# Altium PCB LinuxMini_ExtraBoard.PcbDoc (part 2 of 3)
Units mil, origin at the board's own origin, x right, y up, seen from the top; angles counter-clockwise.
Board outline 8065 x 5740 mil, 2 copper layers (Top Layer, Bottom Layer); 249 components, 216 nets, 879 pads, 804 vias.
Unrouted connection lines stored in the file: 73.
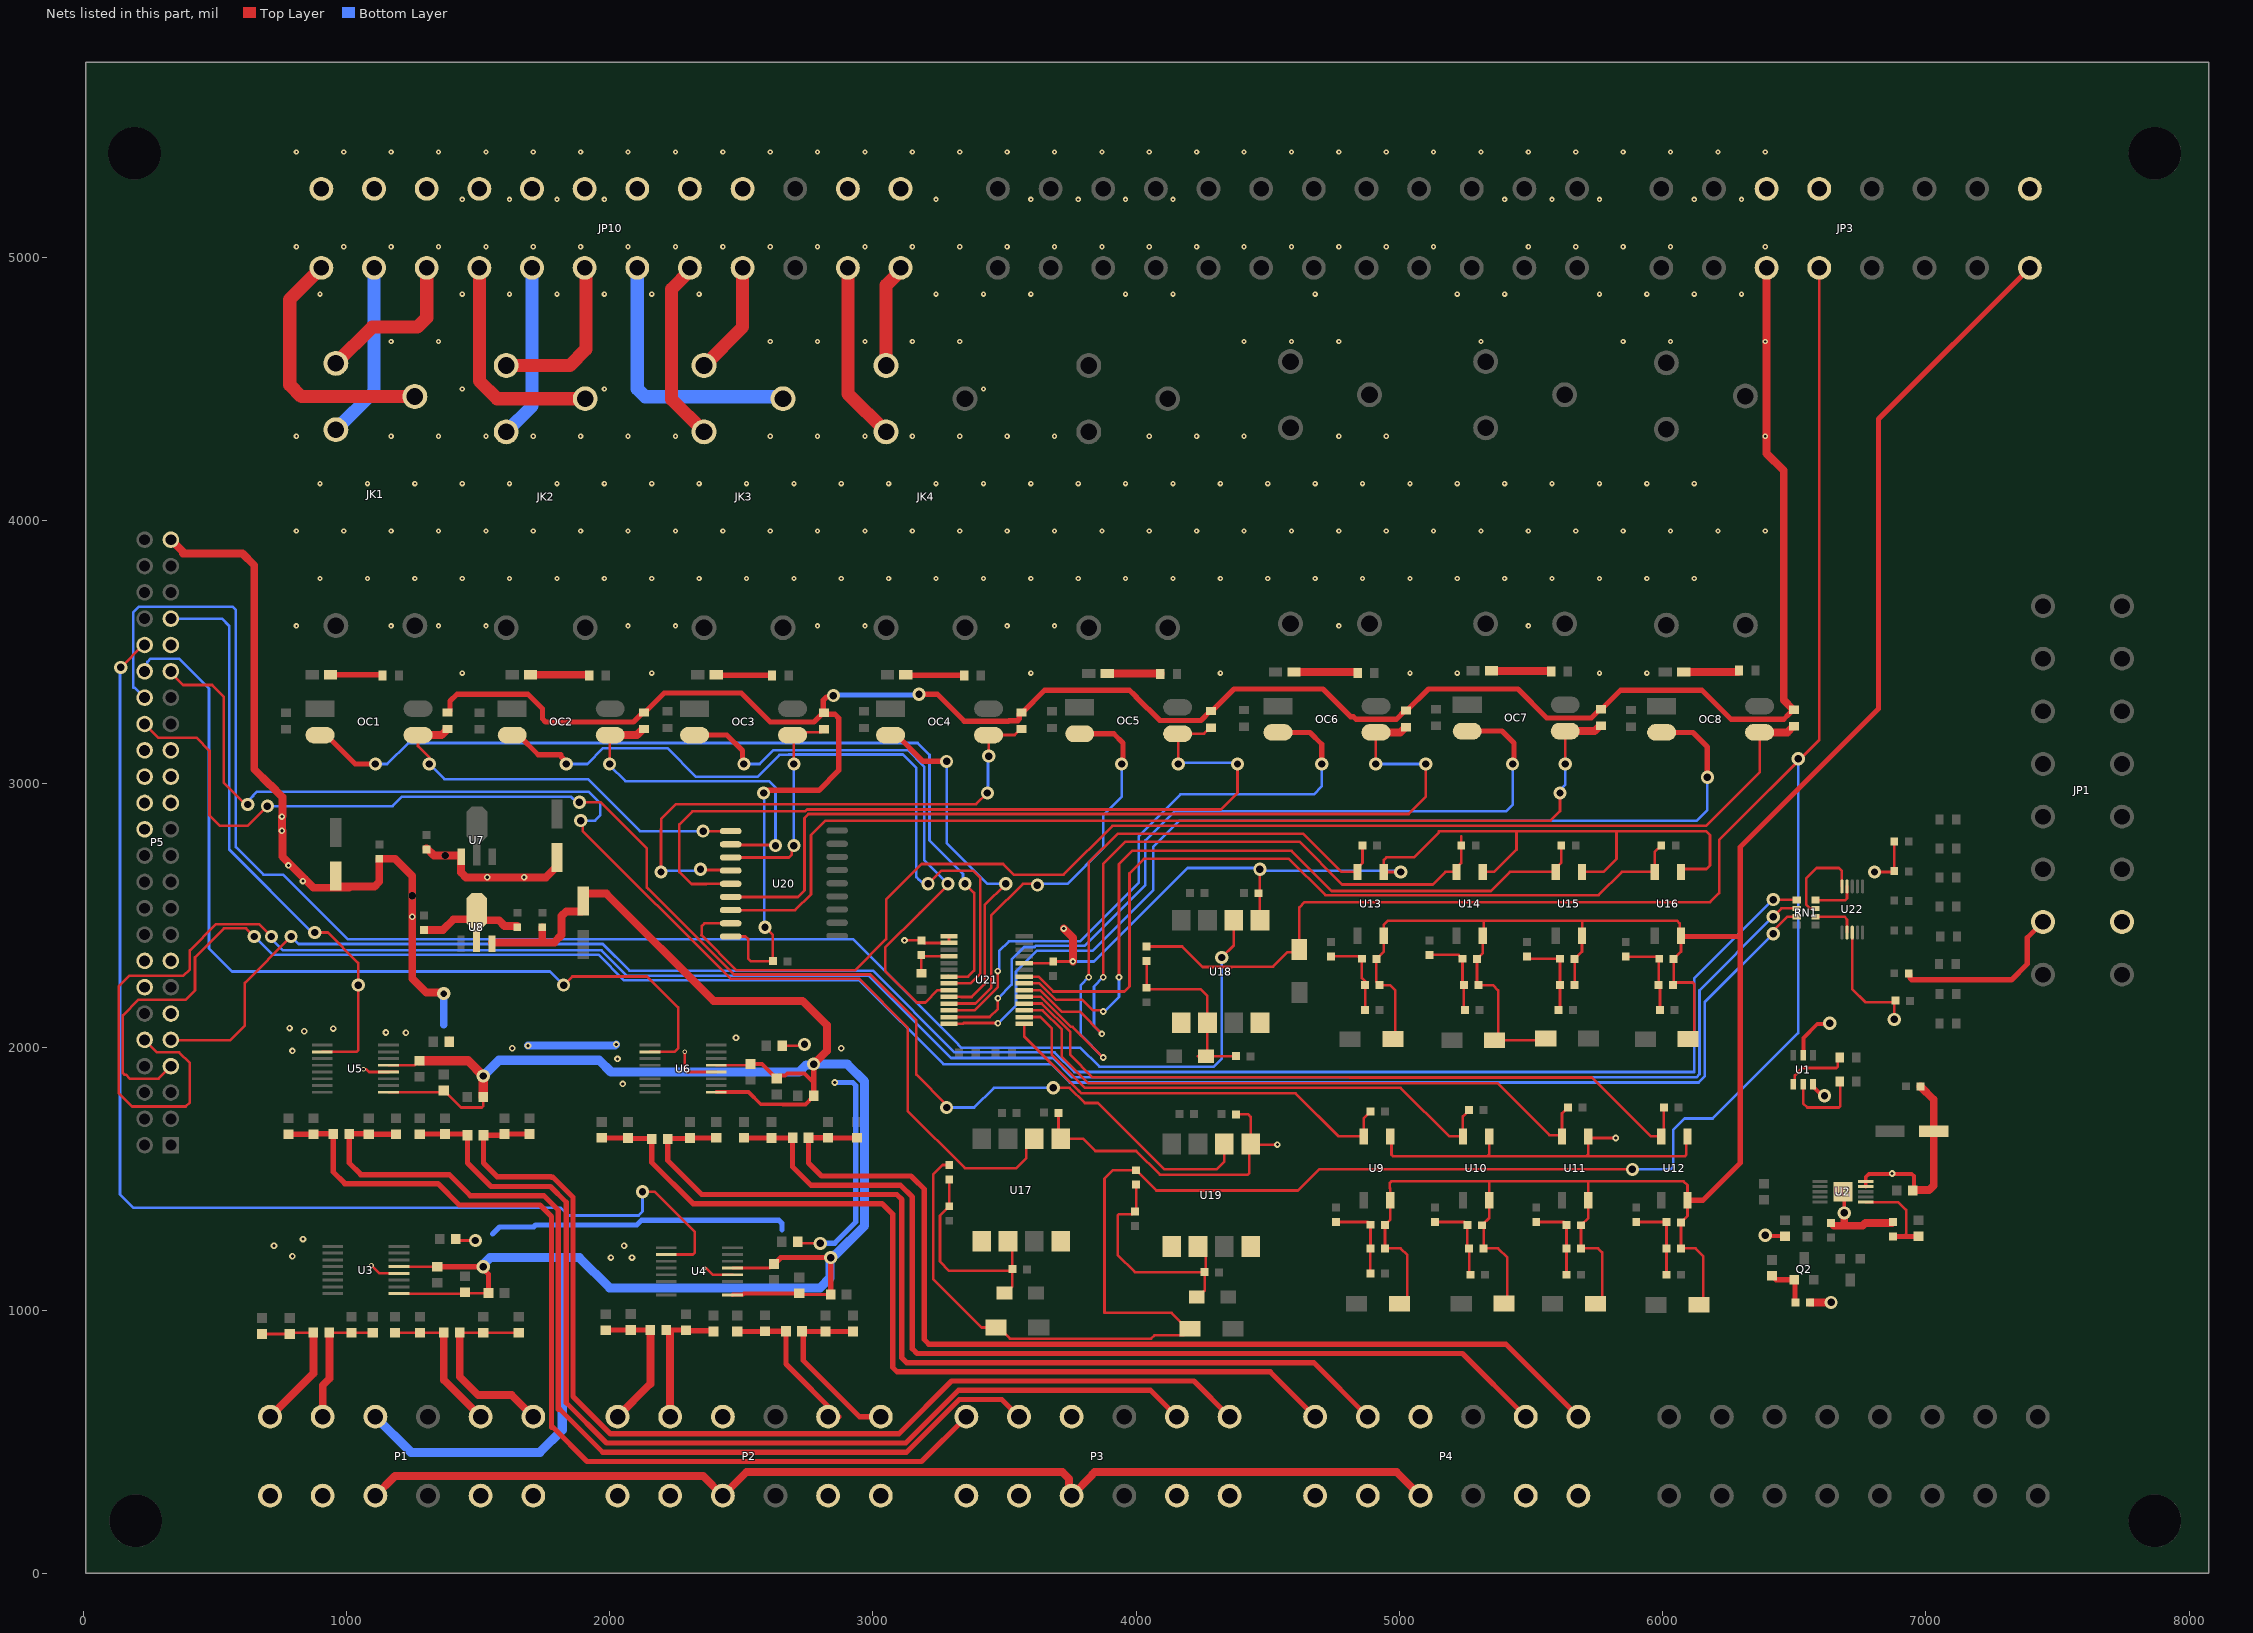
[diagram p2: the nets of this part, all layers, seen from the top]

## Via types
v1: diameter 20, hole 8, Top Layer to Bottom Layer, 497 vias
v2: diameter 50, hole 28, Top Layer to Bottom Layer, 155 vias
v3: diameter 25, hole 12, Top Layer to Bottom Layer, 142 vias
v4: diameter 28, hole 28, Top Layer to Bottom Layer, 4 vias
v5: diameter 17, hole 10, Top Layer to Bottom Layer, 2 vias
v6: diameter 18, hole 10, Top Layer to Bottom Layer, 2 vias
v7: diameter 25, hole 10, Top Layer to Bottom Layer, 1 vias
v8: diameter 50, hole 25, Top Layer to Bottom Layer, 1 vias

## Nets (pads, with @x,y where several pads share a name; then routed paths per layer and width w, separated by ;. In a path a pad name is that pad's centre, name@x,y a point inside that pad or via, vN(x,y) a via of type N, cw(c..) or ccw(c..) an arc to the next point about the centre after c; other vN are vias at no path point) (continued)
BVCC: C11.1 C12.1 C13.1 C15.1 C16.1 C17.1 C31.1 C32.1 C33.1 C36.1 C37.1 C38.1 C50.1 C51.2 P1.3 P2.3 P3.3 P4.3 U3.9 U3.13 U4.9 U4.13 U5.9 U5.13 U6.9 U6.13 U8.3 | length 14776.7
  Top Layer w10: U5.9@1160.34,1828.23 1363.54,1828.23 C32.1@1370,1834.68 1370.98,1834.68 1435.67,1770 1514.14,1770 1520,1775.86 C33.1@1520,1810 ; U5.13@1160.34,1930.59 1259.61,1930.59 1276.67,1947.66 C31.1@1277.66,1947.66 ; U3.9@1200,1063.23 1444.21,1063.23 C13.1@1450,1069.02 1454.02,1065 C11.1@1540,1065 ; U3.13@1200,1165.59 1260,1165.59 1260.59,1165 C12.1@1345,1165 ; U6.13@2405.34,1930.59 2529.96,1930.59 C36.1@2535,1935.63 2556.85,1935.63 ; U4.13@2466.97,1160.59 2608.98,1160.59 2624.02,1175.63 C15.1@2625,1175.63 ; C16.1@2724.02,1060 C17.1@2839.37,1060 ; 2767.5,1872.5 2775,1865
  Top Layer w15: U6.9@2405.34,1828.23 2528.27,1828.23 2574,1782.5 2658.45,1782.5 2658.74,1782.21 2743.19,1782.21 2775,1814.02 C38.1@2775,1815 ; U4.9@2466.97,1058.23 2468.96,1060.22 2505.81,1060.22 2509.61,1064.02 C16.1@2720,1064.02 ; 2556.85,1935.63 2578.7,1935.63 C37.1@2634.02,1880.32 ; C37.1@2635,1880.32 2645.81,1891.12 2666.12,1891.12 2675,1900 2740,1900 2767.5,1872.5
  Top Layer w20: C12.1@1345,1165 v2(1520,1165) 1520,1156.88 1540,1136.88 C11.1@1540,1065 ; C15.1@2625,1175.63 2625.98,1175.63 2650.35,1200 v2(2840,1200) 2839.68,1199.68 2839.68,1060.32 C17.1@2839.37,1060 ; C38.1@2775,1815 2775,1865 v2(2775,1935)
  Top Layer w30: P1.3@1110,295.64 1184.36,370 2355.64,370 P2.3@2430,295.64 2519.36,385 3720,385 3745,360 3745,305.64 P3.3@3755,295.64 3835,375.64 3835,377.43 3842.57,385 4990,385 5079.36,295.64 P4.3@5080,295.64 ; U8.3@1553.06,2397.61 1740,2397.61 ; C51.2@1744,2455 1744,2401.61 1740,2397.61 ; v2(2775,1935) 2825,1985 2825,2083.18 2733.18,2175 2395,2175 1987.5,2582.5 1906.65,2582.5 1900,2575.85 C50.1@1900,2555 1900,2521.73 1893.35,2515.07 1835.07,2515.07 1817.5,2497.5 1817.5,2425.11 1790,2397.61 1740,2397.61
  Top Layer w35: C31.1@1277.66,1947.66 1462.34,1947.66 v2(1520,1890) C33.1@1520,1810
  Bottom Layer w35: P1.3@1110,595.64 1245.64,460 1735,460 1820,545 1820,1195 1815,1200 ; v2(1520,1165) 1520,1169.06 1525,1174.06 1525,1179.5 1545.5,1200 1815,1200 ; v2(1520,1890) 1580,1950 1960,1950 2005,1905 2720,1905 2747.13,1932.13 2772.13,1932.13 v2(2775,1935) 2902.38,1935 2968.5,1868.88 2968.5,1321.12 2858.88,1211.5 2855.56,1211.5 2840,1195.94 v2@2840,1195 ; v2(2840,1200) 2837.13,1197.13 2837.13,1122.63 2799.5,1085 2000,1085 1885,1200 1815,1200
COMX0: JP3.5 R57.2 R60.2 R63.2 TVS9.2 TVS10.2 TVS11.2 | length 11420.7
  Top Layer w10: R57.2@3290,1552 3265,1552 3229,1516 3229,1118.05 3412.56,934.49 TVS9.2@3467.56,934.49 3477.56,934.49 3520.13,891.92 4056.92,891.92 4069.49,904.49 4180,904.49 TVS11.2@4205,929.49 4195,929.49 4134.49,990 3880,990 3880,1500 3912,1532 R63.2@4000,1532 4077,1455 4615,1455 4695,1535 v2(5885,1535) ; R60.2@4040,2382 4175,2382 4252.86,2304.14 4307.86,2304.14 4308,2304 4364,2304 4365,2305 4520,2305 4575,2360 4610,2360 TVS10.2@4620,2370 4620,2530 4640,2550 6180,2550 6215,2585 6215,2786.07 6595,3166.07 JP3.5@6595,4960
  Bottom Layer w10: v2(5885,1535) 6030,1535 6040,1545 6040,1685 6083.32,1728.32 6190.04,1728.32 6515,2053.28 v2(6515,3095)
CS: RN1.2 U22.2 | length 173.7
  Top Layer w10: RN1.2@6580.86,2495 6690,2495 6700.63,2484.37 U22.2@6700.63,2434.8
DUL1: OC1.3 R67.1 U20.1 | length 1477.7
  Top Layer w10: OC1.3@1272.12,3185 1272.12,3142.88 1315,3100 ; v2(2355,2820) U20.1@2460,2820
  Top Layer w30: OC1.3@1272.12,3185 1362,3185 1381,3204 1381,3207.25 1381.75,3208 R67.1@1385,3208
  Bottom Layer w10: v2(1315,3075) 1372.5,3017.5 1917.5,3017.5 2115,2820 v2(2355,2820)
DUL2: OC2.3 R77.1 U20.2 | length 1290.6
  Top Layer w10: v2@2000,3095 2000,3182.88 OC2.3@2002.12,3185 ; U20.2@2460,2770 2462.5,2767.5 2627.5,2767.5 v2(2630,2765)
  Top Layer w30: OC2.3@2002.12,3185 2103.75,3185 2126.75,3208 R77.1@2130,3208
  Bottom Layer w10: v2(2000,3075) 2000,3070 2060,3010 2605,3010 2630,2985 v2(2630,2765)
DUL3: OC3.3 R79.1 U20.3 | length 822.8
  Top Layer w10: U20.3@2460,2720 2681.36,2720 2692.35,2730.99 2692.35,2757.35 v2(2700,2765) ; v2@2700,3090 2700,3180 OC3.3@2695,3185 2732.96,3185 2744.22,3196.26 2804.25,3196.26 R79.1@2815,3207.01
  Bottom Layer w10: v2(2700,2765) v2(2700,3075) ; v2@2700,3090 2700,3083.43 v2@2704.22,3079.22
DUL4: OC4.3 R81.1 U20.4 | length 2110
  Top Layer w10: v2(2195,2665) 2195,2827.78 ; 2195.54,2827.78 2195.54,2865.54 2252.5,2922.5 3392.5,2922.5 v2(3435,2965) ; v2(2345,2675) 2347.5,2672.5 2457.5,2672.5 U20.4@2460,2670 ; v2(3440,3105) 3440,3184.27 OC4.3@3439.27,3185 3538.75,3185 3561.75,3208 R81.1@3565,3208
  Bottom Layer w10: v2(2195,2665) 2200,2670 2340,2670 v2(2345,2675) ; v2(3435,2965) 3437.5,2967.5 3437.5,3102.5 v2(3440,3105)
DUL5: OC5.3 R83.1 U20.5 | length 3155.3
  Top Layer w10: U20.5@2460,2620 2367.95,2620 2367.09,2619.14 2310.86,2619.14 2265,2665 2265,2845 2315,2895 2742.37,2895 2749.48,2902.1 4322.1,2902.1 4385,2965 v2(4385,3075) ; v2@4160,3085 4160,3187.84 OC5.3@4157.84,3190 4258.75,3190 4281.75,3213 R83.1@4285,3213 ; v2@4168.25,3093.25 v2@4175,3086.5
  Bottom Layer w10: v2@4160,3085 4165,3080 4380,3080 v2(4385,3075)
  other v2: 4160,3075
DUL6: OC6.3 R85.1 U20.6 | length 3516.9
  Top Layer w10: U20.6@2460,2570 2715,2570 2740,2595 2740,2870 2755,2885 5035,2885 5100,2950 v2(5100,3075) ; v2(4910,3075) 4910,3193.58 OC6.3@4911.42,3195
  Top Layer w30: OC6.3@4911.42,3195 5003.43,3195 5021,3212.57 5021,3214.25 5021.75,3215 R85.1@5025,3215
  Bottom Layer w10: v2(4910,3075) v2(5100,3075)
DUL7: OC7.3 R87.1 U20.7 | length 3893.2
  Top Layer w10: U20.7@2460,2520 2705,2520 2765,2580 2765,2805 2820,2860 5574.14,2860 5610,2895.86 v2(5610,2965) ; 5630,3100 OC7.3@5629.99,3200
  Top Layer w30: OC7.3@5629.99,3200 5741.75,3200 5761.75,3220 R87.1@5765,3220
  Bottom Layer w10: v2(5610,2965) 5610,2975.82 5630,2995.82 5630,3100
  other v2: 5630,3075
DUL8: OC8.3 R89.1 U20.8 | length 4950.5
  Top Layer w10: U20.8@2460,2470 2360,2470 2350,2460 2350,2426.72 2348.34,2425.05 2481.89,2291.5 2931.73,2291.5 3050.23,2410 3050.23,2560.23 3185,2695 3494.64,2695 3534.82,2654.82 3535,2655 3725,2655 3910,2840 6165,2840 6368.56,3043.56 OC8.3@6368.56,3195
  Top Layer w30: OC8.3@6368.56,3195 6473.75,3195 6496.75,3218 R89.1@6500,3218
ENET1_CRS_DV: P5.36 U18.6 | length 6298.9
  Top Layer w10: v2(4325,2340) 4370.85,2385.85 U18.6@4370.85,2481.63
  Bottom Layer w10: P5.36@233.39,3327.05 195.43,3365 190,3365 190,3650 212.5,3672.5 567.5,3672.5 580,3660 580,2760 685,2655 760,2655 1005,2410 2925,2410 3324,2011 3324,2008.57 3335.07,1997.5 3787.5,1997.5 3860,1925 4295,1925 4325,1955 v2(4325,2340)
ENET1_RXD0: P5.37 U17.6 | length 4754.6
  Top Layer w10: P5.37@333.39,3427.05 333.39,3421.61 380,3375 490,3375 534,3331 534,3005 617.59,2921.41 v2(625,2921.41) ; v2(1890,2860) 1897.65,2852.35 1897.65,2821.29 2459.44,2259.5 2946.37,2259.5 3132.25,2073.63 3132.25,1757.75 3350,1540 3545,1540 3582.91,1577.91 3582.91,1621.2 U17.6@3613.35,1651.63
  Bottom Layer w10: v2(625,2921.41) 625,2932.24 645.33,2952.57 645.33,2955.33 660,2970 1920,2970 1965,2925 1965,2880.86 1944.14,2860 v2(1890,2860)
ENET1_RXD1: P5.34 U19.6 | length 5391.4
  Top Layer w10: P5.34@233.39,3227.05 233.39,3226.61 285,3175 430,3175 480,3125 480,2880 520,2840 625,2840 v2(700,2915) ; v2(1885,2930) 1965,2930 2141.25,2753.75 2141.25,2605.86 2147.11,2600 2147.43,2600 2471.93,2275.5 2990,2275.5 3165,2100.5 3165,1895 3280,1780 v2(3280,1770) ; v2(3685,1845) 3747.37,1845 3804.87,1787.5 3855,1787.5 4107.5,1535 4305,1535 4335,1565 U19.6@4335,1631.63
  Bottom Layer w10: v2(700,2915) 1175,2915 1210,2950 1854.18,2950 1874.18,2930 v2(1885,2930) ; v2(3280,1770) 3385,1770 3460,1845 v2(3685,1845)
ENET1_RXER: P5.41 U5.2 | length 2224.4
  Top Layer w10: v2(880,2435) 930,2435 1045,2320 v2(1045,2235) ; U5.2@908.37,1981.77 1039.14,1981.77 1045,1987.63 v2@1045,2230 ; v2@1055,2250 v2@1060,2245
  Bottom Layer w10: P5.41@333.39,3627.05 527.95,3627.05 555,3600 555,2750 870,2435 v2(880,2435)
ENET1_TX_CLK: P5.40 U4.2 | length 4680.7
  Top Layer w10: v2(143,3442) 228.05,3527.05 P5.40@233.39,3527.05 ; v2(2125,1450) 2171.41,1450 2323.21,1298.21 2323.21,1219.56 2323.89,1218.89 2316.77,1211.77 U4.2@2215,1211.77
  Bottom Layer w10: v2(143,3442) 140,3439 140,1440 191,1389 1814.41,1389 1843.41,1360 2110,1360 2125,1375 v2(2125,1450)
ENET1_TXD0: P5.32
ENET1_TXD1: P5.39
ENET1_TXEN: P5.38 U6.2 | length 3482.9
  Top Layer w10: v2(1825,2235) 1858,2268 2142,2268 2260,2150 2260,1995 2246.77,1981.77 U6.2@2153.37,1981.77
  Bottom Layer w10: P5.38@233.39,3427.05 243.53,3437.19 243.53,3462.67 255.86,3475 365,3475 478,3362 478,2375 566,2287 1773,2287 v2(1825,2235)
GND: C1.2 C2.1 C3.2 C4.1 C5.2 C10.2 C14.2 C30.2 C35.2 C46.2 C47.1 C48.2 C60.1 C62.1 C64.1 C67.1 C68.1 C69.1 C70.1 C73.2 C74.2 JP1.2 L2.2 P5.47 R6.2 R7.1 U1.2 U1.6 U2.9 U2.10 U2.11 U3.12 U4.12 U5.12 U6.12 U7.1 U9.3 U10.3 U11.3 U12.3 U13.3 U14.3 U15.3 U16.3 U17.5 U18.5 U19.5 U21.10 U21.15 U21.16 U22.3 | length 16665.5
  Top Layer w10: v6(1065,1915) 1075.82,1915 1085.82,1905 U5.12@1160.34,1905 1160.85,1905.51 U5.12@1194.71,1905.51 ; v6(1095,1170) 1125,1140 U3.12@1200,1140 ; C30.2@1390.63,2034.02 C30.2@1390.63,2035 ; C10.2@1415,1270 1420,1265 v2(1490,1265) ; v5(2285,1982) 2285,1915 2295,1905 U6.12@2405.34,1905 ; v5(2360,1160) 2366.57,1160 2391.57,1135 U4.12@2466.97,1135 ; C35.2@2655.63,2005 2735,2005 v2(2740,2010) ; C14.2@2715,1260 2721,1254 v2(2800,1254) ; v3(3120,2405) 3184.43,2405 C68.1@3184.65,2404.79 3194.12,2395.31 U21.16@3289.35,2395.31 U21.15@3289.35,2420.91 ; U21.10@3575,2318.54 3678.54,2318.54 C67.1@3685,2325 v3(3760,2325) ; C60.1@3705,1750 3705,1659.98 U17.5@3713.35,1651.63 3798.37,1651.63 3845,1605 4000,1605 4090,1515 4424.14,1515 4430,1520.86 4430,1626.63 U19.5@4435,1631.63 ; C64.1@4380,1744 4426,1744 4435,1735 U19.5@4435,1631.63 ; v2(4470,2675) 4470,2482.48 U18.5@4470.85,2481.63 ; v3(4536.76,1629.32) 4437.31,1629.32 U19.5@4435,1631.63 ; U9.3@4965,1660.29 4970,1655.29 4970,1590.86 4975.86,1585 5335,1585 ; v2(5005,2665) 4941.01,2665 U13.3@4940.71,2665.29 4940.71,2711 4950.21,2720.5 5055.5,2720.5 5150,2815 ; 5150,2820 6165,2820 6180,2805 6180,2690 6166,2676 6080.71,2676 U16.3@6070,2665.29 6070,2680.25 U16.3@6080.75,2691 ; U14.3@5317.14,2665.29 5360.29,2665.29 5445,2750 5445,2815 ; U10.3@5341.43,1660.29 5341.43,1591.43 5335,1585 ; U15.3@5693.57,2665.29 5775.29,2665.29 5825,2715 5825,2815 ; v3(5821.76,1654.32) 5723.82,1654.32 U11.3@5717.86,1660.29 5717.86,1592.86 5710,1585 ; U12.3@6094.29,1660.29 6090,1656.01 6090,1590.86 6084.14,1585 5710,1585 ; U22.3@6720.31,2434.8 6720.31,2219.68 6770,2170 6879,2170 C70.1@6880,2171 ; v2(6805,2665) 6876.55,2665 C73.2@6879.94,2668.39 C74.2@6879.94,2781 ; v2@6880,2095 C70.1@6880,2171 ; C70.1@6885,2176 C70.1@6880,2171 ; 5335,1585 5710,1585
  Top Layer w15: v2(6390,1285) 6392.21,1282.79 6462.67,1282.79 R6.2@6464.88,1280.57 ; U1.2@6534.01,1968.82 6534.5,1969.31 6534.5,2034.5 6587.5,2087.5 6632.5,2087.5 v2(6635,2090) ; U1.6@6571.4,1858.57 6571.4,1849.71 6606.12,1815 v2(6615,1815) ; U2.11@6685,1450 6690,1445 v2(6690,1370) ; 6770,1331.46 6818.54,1331.46 ; U2.9@6771.66,1469.65 U2.10@6771.66,1489.34 6771.66,1506.66 6783.33,1518.33 6946.21,1518.33 6955,1509.54 6955,1459.37 6952.14,1456.51 R7.1@6950.63,1455
  Top Layer w20: C69.1@6935,2279 6940,2274 6940,2261.72 6946.72,2255 7325,2255 7385,2315 7385,2415 JP1.2@7445,2475
  Top Layer w30: P5.47@333.39,3927.05 380,3880.43 380,3875 605,3875 650,3830 650,3055 710,2995 711.75,2995 756.75,2950 756.75,2876.75 v3(755,2875) v3(755,2821.77) 756.75,2820.02 756.75,2723.25 875,2605 ; v3@842.44,2637.56 875,2605 ; C46.2@960,2649.66 960,2616.65 966.65,2610 1015,2610 ; L2.2@1305,2755 1332.39,2727.61 v4(1375,2727.61) 1435.94,2727.61 1435.94,2662.57 1454.52,2644 1757.8,2644 1800,2686.2 C48.2@1800,2719.66 ; v8(1370,2203) 1366.17,2206.83 1303.17,2206.83 1250,2260 1250,2650 1185,2715 C47.1@1125,2715 1125,2627.57 1107.43,2610 1015,2610 ; v3(3725,2450) 3760,2415 v3(3760,2325) ; C5.2@6560,1029 6561,1030 v2(6640,1030) ; C4.1@6640,1331.46 6650.46,1321 6690,1321 ; v2(6690,1370) 6690,1321 ; C3.2@6875,1335 6871.46,1331.46 6770,1331.46 6759.54,1321 6690,1321 ; R7.1@6952.14,1456.51 7012.43,1456.51 7030,1474.08 7030,1800 C2.1@6980,1850 ; 875,2605 1010,2605 1015,2610
  Bottom Layer w10: v3(3760,2325) 3840,2325 4195,2680 v2@4470,2680 ; v2(4470,2675) 4475,2670 5000,2670 v2(5005,2665)
  Bottom Layer w20: 1555,1290 1581.54,1316.54 1711.23,1316.54 1718.19,1323.5 2103.2,1323.5 2121.41,1341.72 2643.28,1341.72 2655,1330 2655,1305 ; v2(2800,1254) 2801,1255 2855,1255 2935,1335 2935,1853.28 2923.28,1865 v3(2855,1865)
  Bottom Layer w30: 1370,2085 v8(1370,2203) ; v3(1690,2005) 2020,2005 v3(2025,2010)
  other v2: 6880,2105
  other v3: 2004.89,1200.02 2085,1200 795,1205 725,1245 2054.89,1245.02 835,1270 6871.76,1519.32 2050,1860 2030,1955 794.89,1985.02 1629.89,1995.02 2880,1995 2480,2035 1226.03,2054.13 1149.89,2055.02 840,2060 949.89,2070.02 784.42,2071.59 1249.89,2495.02 834.89,2630.02 1534.89,2645.02 1674.89,2645.02 779.89,2690.02
  other v4: 1250,2575
GND_RELY: C66.1 JP3.6 R67.2 R77.2 R79.2 R81.2 R83.2 R85.2 R87.2 R89.2 U20.9 | length 9019.4
  Top Layer w10: U20.9@2460,2420 2516.34,2420 2526.1,2410.24 2526.1,2335.76 2535.86,2326 C66.1@2620,2326 2620,2425 v2(2590,2455)
  Top Layer w20: R67.2@1385,3270.99 1388.25,3270.99 1394,3276.74 1394,3314 1420,3340 1690,3340 1745,3285 1745,3246.72 1756.72,3235 2090.76,3235 2126.75,3270.99 R77.2@2130,3270.99 2133.25,3270.99 2207.26,3345 2500,3345 2610,3235 2776.75,3235 2811.75,3270 2811.75,3317.54 2823.47,3329.26 ; v2@2585,2975 2795,2975 2870,3050 2870,3250 2855.75,3264.25 2820.75,3264.25 R79.2@2815,3270 R79.2@2818.25,3270 ; v2(3175,3340) 3245,3340 3347.5,3237.5 3515.16,3237.5 3517.41,3239.75 3550,3239.75 3556,3245.75 3556,3265.24 3561.75,3270.99 R81.2@3565,3270.99 3568.25,3270.99 3652.26,3355 3975,3355 3993.5,3336.5 3999.97,3330.03 4090,3240 4245.76,3240 4281.75,3275.99 R83.2@4285,3275.99 4288.25,3275.99 4372.26,3360 4710,3360 4815,3255 4825,3255 4835,3245 4988.76,3245 5021.75,3277.99 R85.2@5025,3277.99 5028.25,3277.99 5110.26,3360 5450,3360 5560,3250 5728.76,3250 5761.75,3282.99 R87.2@5765,3282.99 5768.25,3282.99 5840.26,3355 6150,3355 6260,3245 6460,3245 6480,3265 6480.76,3265 R89.2@6496.75,3280.99
  Top Layer w30: JP3.6@6395,4960 6395,4255 6460,4190 6460,3317.74 6496.75,3280.99 R89.2@6500,3280.99
  Bottom Layer w10: v2@2585,2975 2587.5,2972.5 2587.5,2457.5 v2(2590,2455)
  Bottom Layer w20: v2(2850,3335) 2852.5,3337.5 3172.5,3337.5 v2(3175,3340)
  other v1: 1440,3420 1440,3420 2160,3420 2160,3420 3600,3420 3600,3420 4320,3420 4320,3420 5040,3420 5040,3420 5220,3420 5220,3420 5760,3420 5760,3420 5940,3420 5940,3420 810,3600 810,3600 1170,3600 1170,3600 1350,3600 1350,3600 1530,3600 1530,3600 2070,3600 2070,3600 2250,3600 2250,3600 2790,3600 2790,3600 2970,3600 2970,3600 3510,3600 3510,3600 3690,3600 3690,3600 4770,3600 4770,3600 5490,3600 5490,3600 900,3780 900,3780 1080,3780 1080,3780 1260,3780 1260,3780 1440,3780 1440,3780 1620,3780 1620,3780 1800,3780 1800,3780 1980,3780 1980,3780 2160,3780 2160,3780 2340,3780 2340,3780 2520,3780 2520,3780 2700,3780 2700,3780 2880,3780 2880,3780 3060,3780 3060,3780 3240,3780 3240,3780 3420,3780 3420,3780 3600,3780 3600,3780 3780,3780 3780,3780 3960,3780 3960,3780 4140,3780 4140,3780 4320,3780 4320,3780 4500,3780 4500,3780 4680,3780 4680,3780 4860,3780 4860,3780 5040,3780 5040,3780 5220,3780 5220,3780 5400,3780 5400,3780 5580,3780 5580,3780 5760,3780 5760,3780 5940,3780 5940,3780 6120,3780 6120,3780 810,3960 810,3960 990,3960 990,3960 1170,3960 1170,3960 1350,3960 1350,3960 1530,3960 1530,3960 1710,3960 1710,3960 1890,3960 1890,3960 2070,3960 2070,3960 2250,3960 2250,3960 2430,3960 2430,3960 2610,3960 2610,3960 2790,3960 2790,3960 2970,3960 2970,3960 3150,3960 3150,3960 3330,3960 3330,3960 3510,3960 3510,3960 3690,3960 3690,3960 3870,3960 3870,3960 4050,3960 4050,3960 4230,3960 4230,3960 4410,3960 4410,3960 4590,3960 4590,3960 4770,3960 4770,3960 4950,3960 4950,3960 5130,3960 5130,3960 5310,3960 5310,3960 5490,3960 5490,3960 5670,3960 5670,3960 5850,3960 5850,3960 6030,3960 6030,3960 6210,3960 6210,3960 6390,3960 6390,3960 900,4140 900,4140 1080,4140 1080,4140 1260,4140 1260,4140 1440,4140 1440,4140 1620,4140 1620,4140 1800,4140 1800,4140 1980,4140 1980,4140 2160,4140 2160,4140 2340,4140 2340,4140 2520,4140 2520,4140 2700,4140 2700,4140 2880,4140 2880,4140 3060,4140 3060,4140 3240,4140 3240,4140 3420,4140 3420,4140 3600,4140 3600,4140 3780,4140 3780,4140 3960,4140 3960,4140 4140,4140 4140,4140 4320,4140 4320,4140 4500,4140 4500,4140 4680,4140 4680,4140 4860,4140 4860,4140 5040,4140 5040,4140 5220,4140 5220,4140 5400,4140 5400,4140 5580,4140 5580,4140 5760,4140 5760,4140 5940,4140 5940,4140 6120,4140 6120,4140 810,4320 810,4320 1170,4320 1170,4320 1350,4320 1350,4320 1530,4320 1530,4320 1710,4320 1710,4320 1890,4320 1890,4320 2070,4320 2070,4320 2250,4320 2250,4320 2610,4320 2610,4320 2790,4320 2790,4320 2970,4320 2970,4320 3150,4320 3150,4320 3330,4320 3330,4320 3510,4320 3510,4320 3690,4320 3690,4320 4050,4320 4050,4320 4230,4320 4230,4320 4410,4320 4410,4320 4770,4320 4770,4320 4950,4320 4950,4320 6390,4320 6390,4320 1440,4500 1440,4500 1980,4500 1980,4500 3420,4500 3420,4500 1170,4680 1170,4680 1350,4680 1350,4680 2610,4680 2610,4680 2790,4680 2790,4680 2970,4680 2970,4680 3150,4680 3150,4680 3330,4680 3330,4680 4410,4680 4410,4680 4590,4680 4590,4680 4770,4680 4770,4680 5310,4680 5310,4680 5850,4680 5850,4680 6030,4680 6030,4680 6390,4680 6390,4680 900,4860 900,4860 1440,4860 1440,4860 1620,4860 1620,4860 1800,4860 1800,4860 1980,4860 1980,4860 2160,4860 2160,4860 2340,4860 2340,4860 3240,4860 3240,4860 3420,4860 3420,4860 3600,4860 3600,4860 3960,4860 3960,4860 4140,4860 4140,4860 4680,4860 4680,4860 5220,4860 5220,4860 5400,4860 5400,4860 5760,4860 5760,4860 5940,4860 5940,4860 6120,4860 6120,4860 6300,4860 6300,4860 810,5040 810,5040 990,5040 990,5040 1170,5040 1170,5040 1350,5040 1350,5040 1530,5040 1530,5040 1710,5040 1710,5040 1890,5040 1890,5040 2070,5040 2070,5040 2250,5040 2250,5040 2430,5040 2430,5040 2610,5040 2610,5040 2790,5040 2790,5040 2970,5040 2970,5040 3150,5040 3150,5040 3330,5040 3330,5040 3510,5040 3510,5040 3690,5040 3690,5040 3870,5040 3870,5040 4050,5040 4050,5040 4230,5040 4230,5040 4410,5040 4410,5040 4590,5040 4590,5040 4770,5040 4770,5040 4950,5040 4950,5040 5130,5040 5130,5040 5490,5040 5490,5040 5670,5040 5670,5040 5850,5040 5850,5040 6030,5040 6030,5040 6390,5040 6390,5040 1440,5220 1440,5220 1620,5220 1620,5220 1800,5220 1800,5220 1980,5220 1980,5220 3240,5220 3240,5220 3600,5220 3600,5220 3780,5220 3780,5220 3960,5220 3960,5220 4140,5220 4140,5220 5400,5220 5400,5220 5580,5220 5580,5220 5760,5220 5760,5220 6120,5220 6120,5220 6300,5220 6300,5220 810,5400 810,5400 990,5400 990,5400 1170,5400 1170,5400 1350,5400 1350,5400 1530,5400 1530,5400 1710,5400 1710,5400 1890,5400 1890,5400 2070,5400 2070,5400 2250,5400 2250,5400 2430,5400 2430,5400 2610,5400 2610,5400 2790,5400 2790,5400 2970,5400 2970,5400 3150,5400 3150,5400 3330,5400 3330,5400 3510,5400 3510,5400 3690,5400 3690,5400 3870,5400 3870,5400 4050,5400 4050,5400 4230,5400 4230,5400 4410,5400 4410,5400 4590,5400 4590,5400 4770,5400 4770,5400 4950,5400 4950,5400 5130,5400 5130,5400 5310,5400 5310,5400 5490,5400 5490,5400 5670,5400 5670,5400 5850,5400 5850,5400 6030,5400 6030,5400 6210,5400 6210,5400 6390,5400 6390,5400
  other v2: 2585,2965
GPA0: OC1.2 U21.21 | length 3412.4
  Top Layer w10: U21.21@3285.85,2270.86 U21.21@3289.35,2267.36 3361.77,2267.36 3385,2290.59 3385,2585 v2(3350,2620)
  Top Layer w20: OC1.2@900,3185 923.62,3185 1033.62,3075 v2(1110,3075)
  Bottom Layer w10: v2(1110,3075) 1155,3075 1235,3155 3170,3155 3215,3110 3215,2785 3342.35,2657.65 3342.35,2627.65 v2(3350,2620)
GPA1: OC2.2 U21.22 | length 2908.4
  Top Layer w10: v2(3210,2620) 3260,2670 3380,2670 3408.29,2641.71 3408.29,2278.88 3371.18,2241.77 U21.22@3289.35,2241.77
  Top Layer w20: OC2.2@1630,3185 1653.62,3185 1728.62,3110 1815,3110 1815,3103.12 1835,3083.12 v2(1835,3075)
  Bottom Layer w10: v2(1835,3075) 1915,3075 1975,3135 2219.75,3135 2328.75,3026 2561,3026 2645,3110 2679.46,3110 2680.46,3111 3114,3111 3165,3060 3165,2645 3175,2635 3176.36,2635 v2@3200.68,2610.68
GPA2: OC3.2 U21.23 | length 2196.5
  Top Layer w10: v2@3275,2605 3179.36,2509.36 3178.14,2509.36 3046.89,2378.11 3046.89,2289.32 3167.07,2169.14 3199.14,2169.14 3246.18,2216.18 U21.23@3289.35,2216.18
  Top Layer w20: OC3.2@2322.88,3185 2445,3185 2504.26,3125.74 2504.26,3080.74 v2(2510,3075)
  Bottom Layer w10: v2(2510,3075) 2570,3075 2622.5,3127.5 3132.5,3127.5 3195,3065 3195,2710 v2(3285,2620)
GPA3: OC4.2 U21.24 | length 1422.8
  Top Layer w10: U21.24@3289.35,2190.59 3335,2190.59 3335.59,2190 3375,2190 3424.41,2239.41 3424.41,2342.49 3425,2343.08 3425,2407.57 ; 3424.29,2408.28 3424.29,2539.29 v2(3505,2620)
  Top Layer w20: OC4.2@3067.15,3185 3090.77,3185 3190.77,3085 v2(3280,3085)
  Bottom Layer w10: v2(3280,3085) 3280,2775 3435,2620 v2(3505,2620)
GPA4: OC5.2 U21.25 | length 1601
  Top Layer w10: U21.25@3289.35,2165 3389.75,2165 3449.32,2224.57 3449.32,2490.68 3449.14,2490.86 3449.14,2499.14 3570,2620 v2@3625,2620
  Top Layer w20: OC5.2@3785.72,3190 3915,3190 3950,3155 3950,3080 v2(3945,3075)
  Bottom Layer w10: v2@3625,2620 3740,2620 3875,2755 3875,2880 3945,2950 v2(3945,3075)
  other v2: 3625,2615
GPA5: OC6.2 U21.26 | length 2358.1
  Top Layer w10: U21.26@3289.35,2139.41 3386.78,2139.41 3474.41,2227.04 v3(3474.41,2288.25)
  Top Layer w20: OC6.2@4539.3,3195 4660,3195 4705,3150 v2(4705,3075)
  Bottom Layer w10: v3(3474.41,2288.25) 3480,2293.84 3480,2365 3516.25,2401.25 3786.25,2401.25 4010,2625 4010,2801.21 4168.79,2960 4675,2960 4705,2990 v2(4705,3075) 4705,3140
GPA6: OC7.2 U21.27 | length 3086.1
  Top Layer w10: U21.27@3289.35,2113.82 3443.82,2113.82 3475,2145 v3(3475,2185)
  Top Layer w20: OC7.2@5257.87,3200 5390,3200 5435,3155 5435,3080 v2(5430,3075)
  Bottom Layer w10: v3(3475,2185) 3527.5,2237.5 3527.5,2332.5 3575,2380 3614.24,2380 3619.49,2385.25 3805.25,2385.25 4035,2615 4035,2785 4145,2895 5405,2895 5430,2920 v2(5430,3075)
GPA7: OC8.2 U21.28 | length 3825.8
  Top Layer w10: U21.28@3289.35,2088.23 3342.32,2088.23 3345.09,2091 3474,2091 v3(3475,2090)
  Top Layer w20: OC8.2@5996.44,3195 6115,3195 6170,3140 v2(6170,3025)
  Bottom Layer w10: v3(3475,2090) 3543.5,2158.5 3543.5,2286.63 3621.87,2365 3835,2365 4065,2595 4065,2760 4165,2860 6130,2860 6170,2900 v2(6170,3025)
GPB0: R27.2 U9.4 U21.1 | length 1600.2
  Top Layer w10: U21.1@3575,2088.23 3575,2040 3782.5,1832.5 ; 3783.21,1833.21 3792.31,1824.1 4605.9,1824.1 4769.71,1660.29 U9.4@4865,1660.29 4865,1730 R27.2@4890,1755
GPB1: R30.2 U10.4 U21.2 | length 2022.3
  Top Layer w10: U21.2@3575,2113.82 3636.18,2113.82 3680,2070 3680,1970 3805,1845 5005,1845 5189.71,1660.29 U10.4@5241.43,1660.29 5241.43,1736.43 R30.2@5265,1760
GPB2: R35.2 U11.4 U21.3 | length 2420.9
  Top Layer w10: U21.3@3575,2139.41 3644.17,2139.41 3717.5,2066.08 3717.5,1962.5 3817.5,1862.5 5372.5,1862.5 5570,1665 5613.15,1665 U11.4@5617.86,1660.29 5617.86,1747.86 R35.2@5640,1770
GPB3: R38.2 U12.4 U21.4 | length 2793
  Top Layer w10: U21.4@3575,2165 3641.21,2165 3750,2056.21 3750,1970 3835,1885 4809.5,1885 4810.5,1884 5731.29,1884 5955,1660.29 U12.4@5994.29,1660.29 6005,1671.01 R38.2@6005,1770
GPB4: R43.2 U13.4 U21.5 | length 2417.1
  Top Layer w10: U21.5@3575,2190.59 3638.24,2190.59 3752.58,2076.25 3758.75,2076.25 v3(3875,1960) ; v3(3820,2265) 3820,2700 3930,2810 4635,2810 4779.71,2665.29 U13.4@4840.71,2665.29 4840.71,2680.25 4860,2699.54 R43.2@4860,2765
  Bottom Layer w10: v3(3820,2265) 3790,2235 3790,2045 v3(3875,1960)
GPB5: R46.2 U14.4 U21.6 | length 2642.3
  Top Layer w10: U21.6@3575,2216.18 3635.28,2216.18 3717.41,2134.05 3785.95,2134.05 v3(3870,2050) ; v3(3875,2265) 3875,2695 3960,2780 4620,2780 4782.5,2617.5 5127.5,2617.5 5175.29,2665.29 U14.4@5217.14,2665.29 5217.14,2680.25 5235,2698.11 5235,2800
  Bottom Layer w10: v3(3870,2050) 3840,2080 3840,2230 v3(3875,2265)
GPB6: R51.2 U15.4 U21.7 | length 2812.7
  Top Layer w10: U21.7@3575,2241.77 3632.32,2241.77 3695.09,2179 3796,2179 3835,2140 3870,2140 v3(3875,2135) ; v3(3935,2265) 3935,2695 3985,2745 4590,2745 4742.5,2592.5 5347.5,2592.5 5420.29,2665.29 U15.4@5593.57,2665.29 5593.57,2680.25 5615,2701.68 R51.2@5615,2765
  Bottom Layer w10: v3(3875,2135) 3879.18,2135 3935,2190.82 v3(3935,2265)
GPB7: R55.2 U16.4 U21.8 | length 3083.3
  Top Layer w10: U21.8@3575,2267.36 3629.35,2267.36 3685.86,2210.86 3955.86,2210.86 3975,2230 3975,2660 4030,2715 4580,2715 4718.5,2576.5 5756.5,2576.5 5845.29,2665.29 U16.4@5970,2665.29 5970,2740 R55.2@5995,2765
GPIO_1: P5.7 RN1.7 | length 7673.3
  Top Layer w10: P5.7@333.39,1927.05 286.34,1880 176.86,1880 161.86,1895 156.86,1895 151,1900.86 151,2120 211,2180 390,2180 425,2215 425,2340.45 535,2450.45 619.55,2450.45 v2(650,2420) ; v2(6420,2430) 6420,2440 6475,2495 RN1.7@6510,2495
  Bottom Layer w10: v2(650,2420) 719,2351 1957.43,2351 2055.43,2253 2950,2253 3268,1935 3678.43,1935 3748.43,1865 6136.57,1865 6160,1888.43 6160,2170 v2(6420,2430)
GPIO_2: P5.9 RN1.5 | length 7129.8
  Top Layer w10: P5.9@333.39,2027.05 335.43,2025 557.63,2025 614,2081.37 614,2244 v2(790,2420) ; v2(6420,2560) 6421.01,2558.99 6509,2558.99 RN1.5@6510,2557.99
  Bottom Layer w10: v2(790,2420) 818.83,2391.17 1973.83,2391.17 2075,2290 3000,2290 3310,1980 3690,1980 3765,1905 6120,1905 6120,2260 v2(6420,2560)
GPIO_4: P5.10 RN1.6 | length 8282.4
  Top Layer w10: P5.10@233.39,2027.05 280.43,1980 365,1980 405,1940 405,1790 389.14,1774.14 185.86,1774.14 135,1825 135,2230 175,2270 380,2270 405,2295 405,2366.45 505,2466.45 668.55,2466.45 v2(715,2420) v2@706,2420 ; v2(6420,2495) 6451.5,2526.5 RN1.6@6510,2526.5
  Bottom Layer w10: v2(715,2420) 715,2411 759,2367 1969.72,2367 2066.72,2270 2985,2270 3296.64,1958.36 3683.36,1958.36 3756.72,1885 6128.28,1885 6140,1896.72 6140,2215 v2(6420,2495)
GPIO_6: P5.16
GPIO_7: P5.15
GPIO_8: P5.14
GPIO_9: P5.11
I2C1_SCL: R1.1 U1.5 | length 317.7
  Top Layer w10: U1.5@6534.01,1858.57 6534.01,1785.99 6550,1770 6669.14,1770 6675,1775.86 6675,1867.38 R1.1@6672.5,1869.89
I2C1_SDA: R2.1 U1.4 | length 250.3
  Top Layer w10: U1.4@6496.61,1858.57 6502.43,1864.4 6502.43,1892.43 6530,1920 6660,1920 6665.86,1925.86 6665.86,1953.25 R2.1@6672.5,1959.89
JTAG_MOD: P5.31
JTAG_nTRST: P5.30
JTAG_TCK: P5.28
JTAG_TDI: P5.26
JTAG_TDO: P5.27
JTAG_TMS: P5.29
M: C52.2 C53.1 C54.1 C55.1 C56.1 C57.1 C58.1 C59.1 JP3.1 R31.1 R32.1 R39.1 R40.1 R47.1 R48.1 R52.1 R56.1 TVS1.1 TVS2.1 TVS3.1 TVS4.1 TVS5.1 TVS6.1 TVS7.1 TVS8.1 U9.2 U10.2 U11.2 U12.2 U13.2 U14.2 U15.2 U16.2 | length 10869.4
  Top Layer w10: TVS5.1@4975,2030 4985,2040 4985,2215 4965,2235 R47.1@4925,2235 4912.77,2247.23 C56.1@4912.77,2334.17 4940.71,2362.11 U13.2@4940.71,2422.77 4940,2423.49 4940,2463.48 4956.52,2480 5325.76,2480 ; TVS1.1@5000,1025 5005,1025 5030,1050 5030,1210 5005,1235 R31.1@4945,1235 4945.21,1235.21 C52.2@4945.21,1323.65 4965,1343.43 U9.2@4965,1417.77 4965,1463.48 4964.14,1464.34 4964.14,1484.14 4970,1490 5340,1490 ; TVS2.1@5397.44,1025.51 5410,1038.07 5410,1200 5375,1235 R32.1@5320,1235 5320,1316.48 C53.1@5313.48,1322.99 5341.43,1350.94 U10.2@5341.43,1417.77 5341.43,1488.57 5340,1490 ; TVS7.1@5556.16,2032 5550.16,2026 TVS6.1@5362,2026 5375,2039 5375,2215 5355,2235 R48.1@5300,2235 5295,2240 C57.1@5295,2334.17 5317.14,2356.31 U14.2@5317.14,2422.77 5320.43,2426.06 5320.43,2474.67 5325.76,2480 ; R52.1@5665,2235 5665.63,2235.63 C58.1@5665.63,2334.17 5693.57,2362.11 U15.2@5693.57,2422.77 5693.57,2443.13 5695,2444.55 5695,2480 ; TVS3.1@5744.44,1025 5745,1025 5770,1050 5770,1220 5755,1235 R39.1@5690,1235 5690,1322.91 C54.1@5689.91,1322.99 5717.86,1350.94 U11.2@5717.86,1417.77 5717.86,1487.86 5720,1490 ; R56.1@6040,2235 R56.1@6042.05,2237.05 ; TVS8.1@6096.59,2030 6120,2053.41 6120,2239.14 6114.14,2245 6050,2245 R56.1@6042.05,2237.05 ; TVS4.1@6137.44,1020.51 6155,1038.07 6155,1205 6125,1235 R40.1@6070,1235 C55.1@6070,1334 6094.29,1358.29 U12.2@6094.29,1417.77 6094.29,1475.71 6080,1490 5720,1490 ; 5325.76,2480 5695,2480 ; 5340,1490 5720,1490 ; 5695,2480 6055,2480 6065,2470 6065,2427.77 U16.2@6070,2422.77 6070,2362.11 C59.1@6042.05,2334.17 R56.1@6042.05,2237.05
  Top Layer w20: U16.2@6070,2422.77 6072.77,2420 6295,2420 ; U12.2@6094.29,1417.77 6152.77,1417.77 6295,1560 6295,2420 ; JP3.1@7395,4960 6820,4385 6820,3285 6295,2760 6295,2420
MISO: RN1.4 U22.9 | length 168
  Top Layer w10: RN1.4@6580.87,2557.99 6694.14,2557.99 6700.63,2564.48 U22.9@6700.63,2610
MOSI: RN1.3 U22.10 | length 356.7
  Top Layer w10: RN1.3@6580.86,2526.5 6560,2526.5 6545,2541.5 6545,2640 6585,2680 6670,2680 6680.94,2669.06 U22.10@6680.94,2610
NC: U17.1 U17.4 U18.1 U18.4 U19.1 U19.4
NetC3_1: C3.1 R4.1 U2.6 | length 415.3
  Top Layer w10: U2.6@6771.66,1410.57 6895,1410.57 6925,1380.57 6925,1288.81 6920,1283.81 6968.81,1283.81 R4.1@6972.04,1280.57
  Top Layer w20: C3.1@6875,1280 6971.46,1280 R4.1@6972.04,1280.57
NetC5_1: C5.1 Q2.1 R8.1 | length 179
  Top Layer w20: R8.1@6415,1130.35 6415.98,1130.35 6430.3,1116.04 Q2.1@6500,1116.04 6502.5,1113.54 6502.5,1032.5 C5.1@6505,1030
NetC6_1: C6.1 C8.1 P1.1 R9.1 | length 584.3
  Top Layer w10: C6.1@680,910 R9.1@785,910 790,915 C8.1@874.68,915
  Top Layer w30: P1.1@710,595.64 874.68,760.33 C8.1@874.68,915
NetC7_1: C7.1 C9.1 P2.1 R10.1 | length 551
  Top Layer w20: C7.1@1985,924.37 1985.32,924.68 2079.68,924.68 R10.1@2080,925 C9.1@2154.68,925
  Top Layer w30: P2.1@2030,595.64 2154.68,720.33 C9.1@2154.68,925
NetC8_2: C8.2 C18.1 P1.2 R11.1 | length 494.7
  Top Layer w10: C8.2@935.32,915 1019.69,915 R11.1@1020,914.69 C18.1@1100,914.68
  Top Layer w30: P1.2@910,595.64 910,714.68 935.32,740 C8.2@935.32,915
NetC9_2: C9.2 C19.1 P2.2 R12.1 | length 517.5
  Top Layer w20: C9.2@2215.32,925 2215.63,924.68 2289.68,924.68 R12.1@2290,924.37 2292.5,921.87 2392.5,921.87 C19.1@2395,919.37
  Top Layer w30: C9.2@2215.32,925 2215.32,924.02 2230,909.33 P2.2@2230,595.64
NetC20_1: C20.1 C22.1 P1.5 R13.1 | length 562.5
  Top Layer w10: C20.1@1185,914.68 R13.1@1280,914.69 1280.31,915 C22.1@1370,915
  Top Layer w30: C22.1@1370,915 1370,735.64 P1.5@1510,595.64
NetC21_1: C21.1 C23.1 P2.5 R14.1 | length 592.5
  Top Layer w20: C21.1@2485,919.37 2485.32,919.68 2589.68,919.68 R14.1@2590,920 C23.1@2670,920 2670,795.64 P2.5@2870,595.64
NetC22_2: C22.2 C24.1 P1.6 R15.1 | length 734.2
  Top Layer w10: C22.2@1430.63,915 1430.94,914.69 R15.1@1520,914.69 C24.1@1655,914.68
  Top Layer w30: C22.2@1430.63,915 1430.63,747.57 1500.8,677.4 1628.24,677.4 P1.6@1710,595.64
NetC23_2: C23.2 C25.1 P2.6 R16.1 | length 689.8
  Top Layer w20: C23.2@2730.63,920 C23.2@2730.95,919.68 ; C25.1@2925,919.37 R16.1@2820,919.37 2819.68,919.68 C23.2@2730.95,919.68 ; P2.6@3030,595.64 2949.36,595.64 2735,810 2735,880 2735,915.63 C23.2@2730.95,919.68
NetC26_1: C26.1 C28.1 P3.1 R17.1 | length 3710.1
  Top Layer w20: C26.1@780,1669.02 R17.1@875,1669.02 875.98,1670 C28.1@950,1670 950,1525 994,1481 1347.71,1481 1428.71,1400 1735,1400 1779,1356 1779,556 ; 1784,556 1914.64,425.36 3184.72,425.36 P3.1@3355,595.64
NetC27_1: C27.1 C29.1 P4.1 R18.1 | length 3541.2
  Top Layer w20: C27.1@1970,1654.68 1970.16,1654.53 2069.84,1654.53 R18.1@2070,1654.37 2072.18,1652.18 2157.82,1652.18 C29.1@2160,1650 2160,1561.36 2316.36,1405 3035,1405 3075,1365 3075,783.49 3092.57,765.92 4509.72,765.92 P4.1@4680,595.64
NetC28_2: C28.2 C34.1 P3.2 R19.1 | length 3836.6
  Top Layer w20: C34.1@1188.83,1669.02 R19.1@1085,1669.02 1084.02,1670 C28.2@1010.63,1670 1010.63,1559.37 1055,1515 1390.92,1515 1470.92,1435 1750,1435 1805.28,1379.72 1805.28,624.06 ; 1810.28,624.06 1973.97,460.36 3127.41,460.36 3327.96,660.92 3489.72,660.92 P3.2@3555,595.64
NetC29_2: C29.2 C39.1 P4.2 R20.1 | length 3682.3
  Top Layer w20: C39.1@2405,1654.68 2404.84,1654.53 2305.16,1654.53 R20.1@2305,1654.37 2302.82,1652.18 2222.82,1652.18 C29.2@2220.63,1650 2220.63,1569.37 2350,1440 3090.5,1440 3110,1420.5 3110,818.49 3127.57,800.92 4674.72,800.92 P4.2@4880,595.64
NetC40_1: C40.1 C42.1 P3.5 R21.1 | length 3994.5
  Top Layer w20: C40.1@1278.91,1669.02 1279.26,1669.37 R21.1@1375,1669.37 1455.63,1669.37 C42.1@1460,1665 1460,1560 1550,1470 1775,1470 1835,1410 1835,648.83 1988.46,495.36 3124.86,495.36 3325.41,695.92 4054.72,695.92 P3.5@4155,595.64
NetC41_1: C41.1 C43.1 P4.5 R22.1 | length 3811.3
  Top Layer w20: C41.1@2510,1654.68 2510.16,1654.53 2614.84,1654.53 R22.1@2615,1654.37 2615.32,1654.68 2694.68,1654.68 C43.1@2695,1655 2695,1545 2765,1475 3105,1475 3150,1430 3150,853.49 3167.57,835.92 5239.72,835.92 P4.5@5480,595.64
NetC42_2: C42.2 C44.1 P3.6 R23.1 | length 4124.8
  Top Layer w20: C44.1@1695,1669.37 R23.1@1600,1669.37 1595.63,1665 C42.2@1520.63,1665 1520.63,1559.37 1572.5,1507.5 1777.5,1507.5 1780,1505 1785.05,1505 1861,1429.05 1861,672.33 2002.96,530.36 3098.42,530.36 3298.97,730.92 4219.72,730.92 P3.6@4355,595.64
NetC43_2: C43.2 C45.1 P4.6 R24.1 | length 3938.5
  Top Layer w20: C45.1@2940,1654.68 R24.1@2830,1654.69 2829.84,1654.84 2755.79,1654.84 C43.2@2755.63,1655 2755.63,1559.37 2805,1510 3145,1510 3154.99,1500.01 3195,1460 3195,888.49 3212.57,870.92 5404.72,870.92 P4.6@5680,595.64
NetC49_1: C49.1 L1.2 U8.2 | length 411.4
  Top Layer w30: L1.2@1295,2445 1367.09,2445 1407.33,2485.24 1470.63,2485.24 U8.2@1495,2509.61 ; U8.2@1495,2517.49 U8.2@1495,2509.61 ; C49.1@1649,2460 1600.83,2460 1579.37,2481.46 1519.37,2481.46 1495,2505.83 U8.2@1495,2509.61
NetC52_1: C52.1 R25.2 R26.1 R31.2 | length 319.2
  Top Layer w10: R26.1@4760,1335 4879.86,1335 C52.1@4890.21,1324.65 4890.21,1235.21 R31.2@4890,1235 R25.2@4890,1140
NetC53_2: C53.2 R28.2 R29.1 R32.2 | length 321.8
  Top Layer w10: R29.1@5135,1335 5247.48,1335 C53.2@5258.48,1323.99 5258.48,1241.52 R32.2@5265,1235 5265,1140 R28.2@5270,1135
NetC54_2: C54.2 R33.2 R34.1 R39.2 | length 308.5
  Top Layer w10: R34.1@5520,1335 5623.91,1335 C54.2@5634.91,1323.99 5634.91,1235.09 R39.2@5635,1235 R33.2@5635,1135
NetC55_2: C55.2 R36.2 R37.1 R40.2 | length 315
  Top Layer w10: R37.1@5900,1335 C55.2@6015,1335 R40.2@6015,1235 R36.2@6015,1135
NetC56_2: C56.2 R41.2 R42.1 R47.2 | length 303.5
  Top Layer w10: R42.1@4740,2345 4841.76,2345 4857.77,2328.99 4857.77,2262.23 4870,2250 4870,2155
NetC57_2: C57.2 R44.2 R45.1 R48.2 | length 330.5
  Top Layer w10: R45.1@5115,2350 5225.17,2350 C57.2@5240,2335.17 5240,2240 R48.2@5245,2235 5245,2145 R44.2@5250,2140
NetC58_2: C58.2 R49.2 R50.1 R52.2 | length 326.5
  Top Layer w10: R50.1@5485,2343.23 5493.06,2335.17 C58.2@5610.63,2335.17 5610,2334.54 R52.2@5610,2235 5610,2145 R49.2@5605,2140
NetC59_2: C59.2 R53.2 R54.1 R56.2 | length 328.5
  Top Layer w10: R54.1@5860,2343.23 5978.99,2343.23 C59.2@5987.05,2335.17 5985,2333.11 R56.2@5985,2235 5990,2230 R53.2@5990,2140
NetC61_2: C61.2 D2.1 R57.1 R59.2 U17.2 | length 834.7
  Top Layer w10: R57.1@3290,1497 R59.2@3290,1395 3255,1360 3255,1185 3290,1150 C61.2@3529.79,1150 ; D2.1@3500,1065 3505,1065 3529.79,1089.79 C61.2@3529.79,1150 ; U17.2@3513.35,1261.87 3529.79,1245.43 C61.2@3529.79,1156.35 C61.2@3529.79,1150
NetC63_2: C63.2 D3.1 R60.1 R62.2 U18.2 | length 721.6
  Top Layer w10: R60.1@4040,2327 R62.2@4040,2225 4045,2220 4245,2220 4270.85,2194.15 U18.2@4270.85,2091.87 4270.85,1970.85 D3.1@4265.41,1965.41 ; D3.1@4235,1965 D3.1@4265,1965 D3.1@4265.41,1965.41 ; C63.2@4379.79,1965.41 D3.1@4265.41,1965.41
NetC65_2: C65.2 D4.1 R63.1 R65.2 U19.2 | length 903.4
  Top Layer w10: R63.1@4000,1477 4000,1380 R65.2@3995,1375 3985,1365 3935.86,1365 3930,1359.14 3930,1210 3995,1145 C65.2@4260,1145 ; D4.1@4230,1050 4235,1050 4260,1075 C65.2@4260,1145 ; U19.2@4235,1241.87 4265,1211.87 4265,1150 C65.2@4260,1145
NetC68_2: C68.2 R92.1 U21.18 | length 178.4
  Top Layer w10: R92.1@3185,2280 3183.65,2281.35 C68.2@3183.65,2349.79 3189.3,2344.13 U21.18@3289.35,2344.13
NetD5_1: D5.1 R69.2 | length 198.3
  Top Layer w10: R69.2@1134.01,3414 R69.2@1137.01,3411
  Top Layer w20: D5.1@940,3414 R69.2@1134.01,3414
NetD6_1: D6.1 R70.2 | length 224.6
  Top Layer w30: D6.1@1700,3414 1921.26,3414 1922.01,3413.25 R70.2@1922.01,3411
NetD7_1: D7.1 R71.2 | length 213.3
  Top Layer w20: D7.1@2405,3414 2406.5,3412.5 2615.51,3412.5 R71.2@2617.01,3411
NetD8_1: D8.1 R72.2 | length 223.3
  Top Layer w20: D8.1@3125,3414 3126.5,3412.5 3345.51,3412.5 R72.2@3347.01,3411
NetD9_1: D9.1 R73.2 | length 204.6
  Top Layer w30: D9.1@3890,3419 4091.26,3419 4092.01,3418.25 R73.2@4092.01,3416
NetD10_1: D10.1 R74.2 | length 244.6
  Top Layer w30: D10.1@4600,3424 4841.26,3424 4842.01,3423.25 R74.2@4842.01,3421
NetD11_1: D11.1 R75.2 | length 229.6
  Top Layer w30: D11.1@5350,3429 5576.26,3429 5577.01,3428.25 R75.2@5577.01,3426
NetD12_1: D12.1 R76.2 | length 214.4
  Top Layer w30: D12.1@6080,3424 6287.25,3424 6290,3426.75 R76.2@6290,3430
NetJK1_1: JK1.1 JP10.10 | length 606.7
  Top Layer w50: JK1.1@960,4596.97 1098.03,4735 1270,4735 1305,4770 JP10.10@1305,4960
NetJK1_2: JK1.2 JP10.11 | length 675.1
  Bottom Layer w50: JK1.2@960,4345 1105,4490 JP10.11@1105,4960
NetJK1_5: JK1.5 JP10.12 | length 987.9
  Top Layer w50: JP10.12@905,4960 785,4840 785,4515 829.01,4470.99 JK1.5@1260,4470.99
NetJK2_1: JK2.1 JP10.7 | length 640.3
  Top Layer w50: JK2.1@1607.14,4588.74 1848.74,4588.74 1910,4650 1910,4955 JP10.7@1905,4960
NetJK2_2: JK2.2 JP10.8 | length 663.8
  Bottom Layer w50: JK2.2@1607.14,4336.77 1705,4434.62 JP10.8@1705,4960
NetJK2_5: JK2.5 JP10.9 | length 860
  Top Layer w50: JP10.9@1505,4960 1505,4530 1572.24,4462.76 JK2.5@1907.14,4462.76
NetJK3_1: JK3.1 JP10.4 | length 431.9
  Top Layer w50: JK3.1@2358.57,4588.74 2505,4735.17 JP10.4@2505,4960
NetJK3_2: JK3.2 JP10.5 | length 703.4
  Top Layer w50: JP10.5@2305,4960 2305,4949.03 2235,4879.03 2235,4460.34 JK3.2@2358.57,4336.77
NetJK3_5: JK3.5 JP10.6 | length 1029
  Bottom Layer w50: JP10.6@2105,4960 2105,4500 2135,4470 2651.33,4470 JK3.5@2658.57,4462.76
NetJK4_1: JK4.1 JP10.1 | length 394
  Top Layer w50: JK4.1@3050,4588.74 3050,4894.03 3105,4949.03 JP10.1@3105,4960
NetJK4_2: JK4.2 JP10.2 | length 683.3
  Top Layer w50: JP10.2@2905,4960 2905,4481.77 JK4.2@3050,4336.77